# Altium PCB CSI2-ZCU106-EVK_Rev01.PcbDoc (part 4 of 4)
Units mm, origin at the board's own origin, x right, y up, seen from the top; angles counter-clockwise.
Board outline 75 x 69 mm, 4 copper layers (Layer1 Top, Layer2, Layer3, Layer4 Bottom), stack 1.59 mm thick; 252 components, 339 nets, 1136 pads, 406 vias.
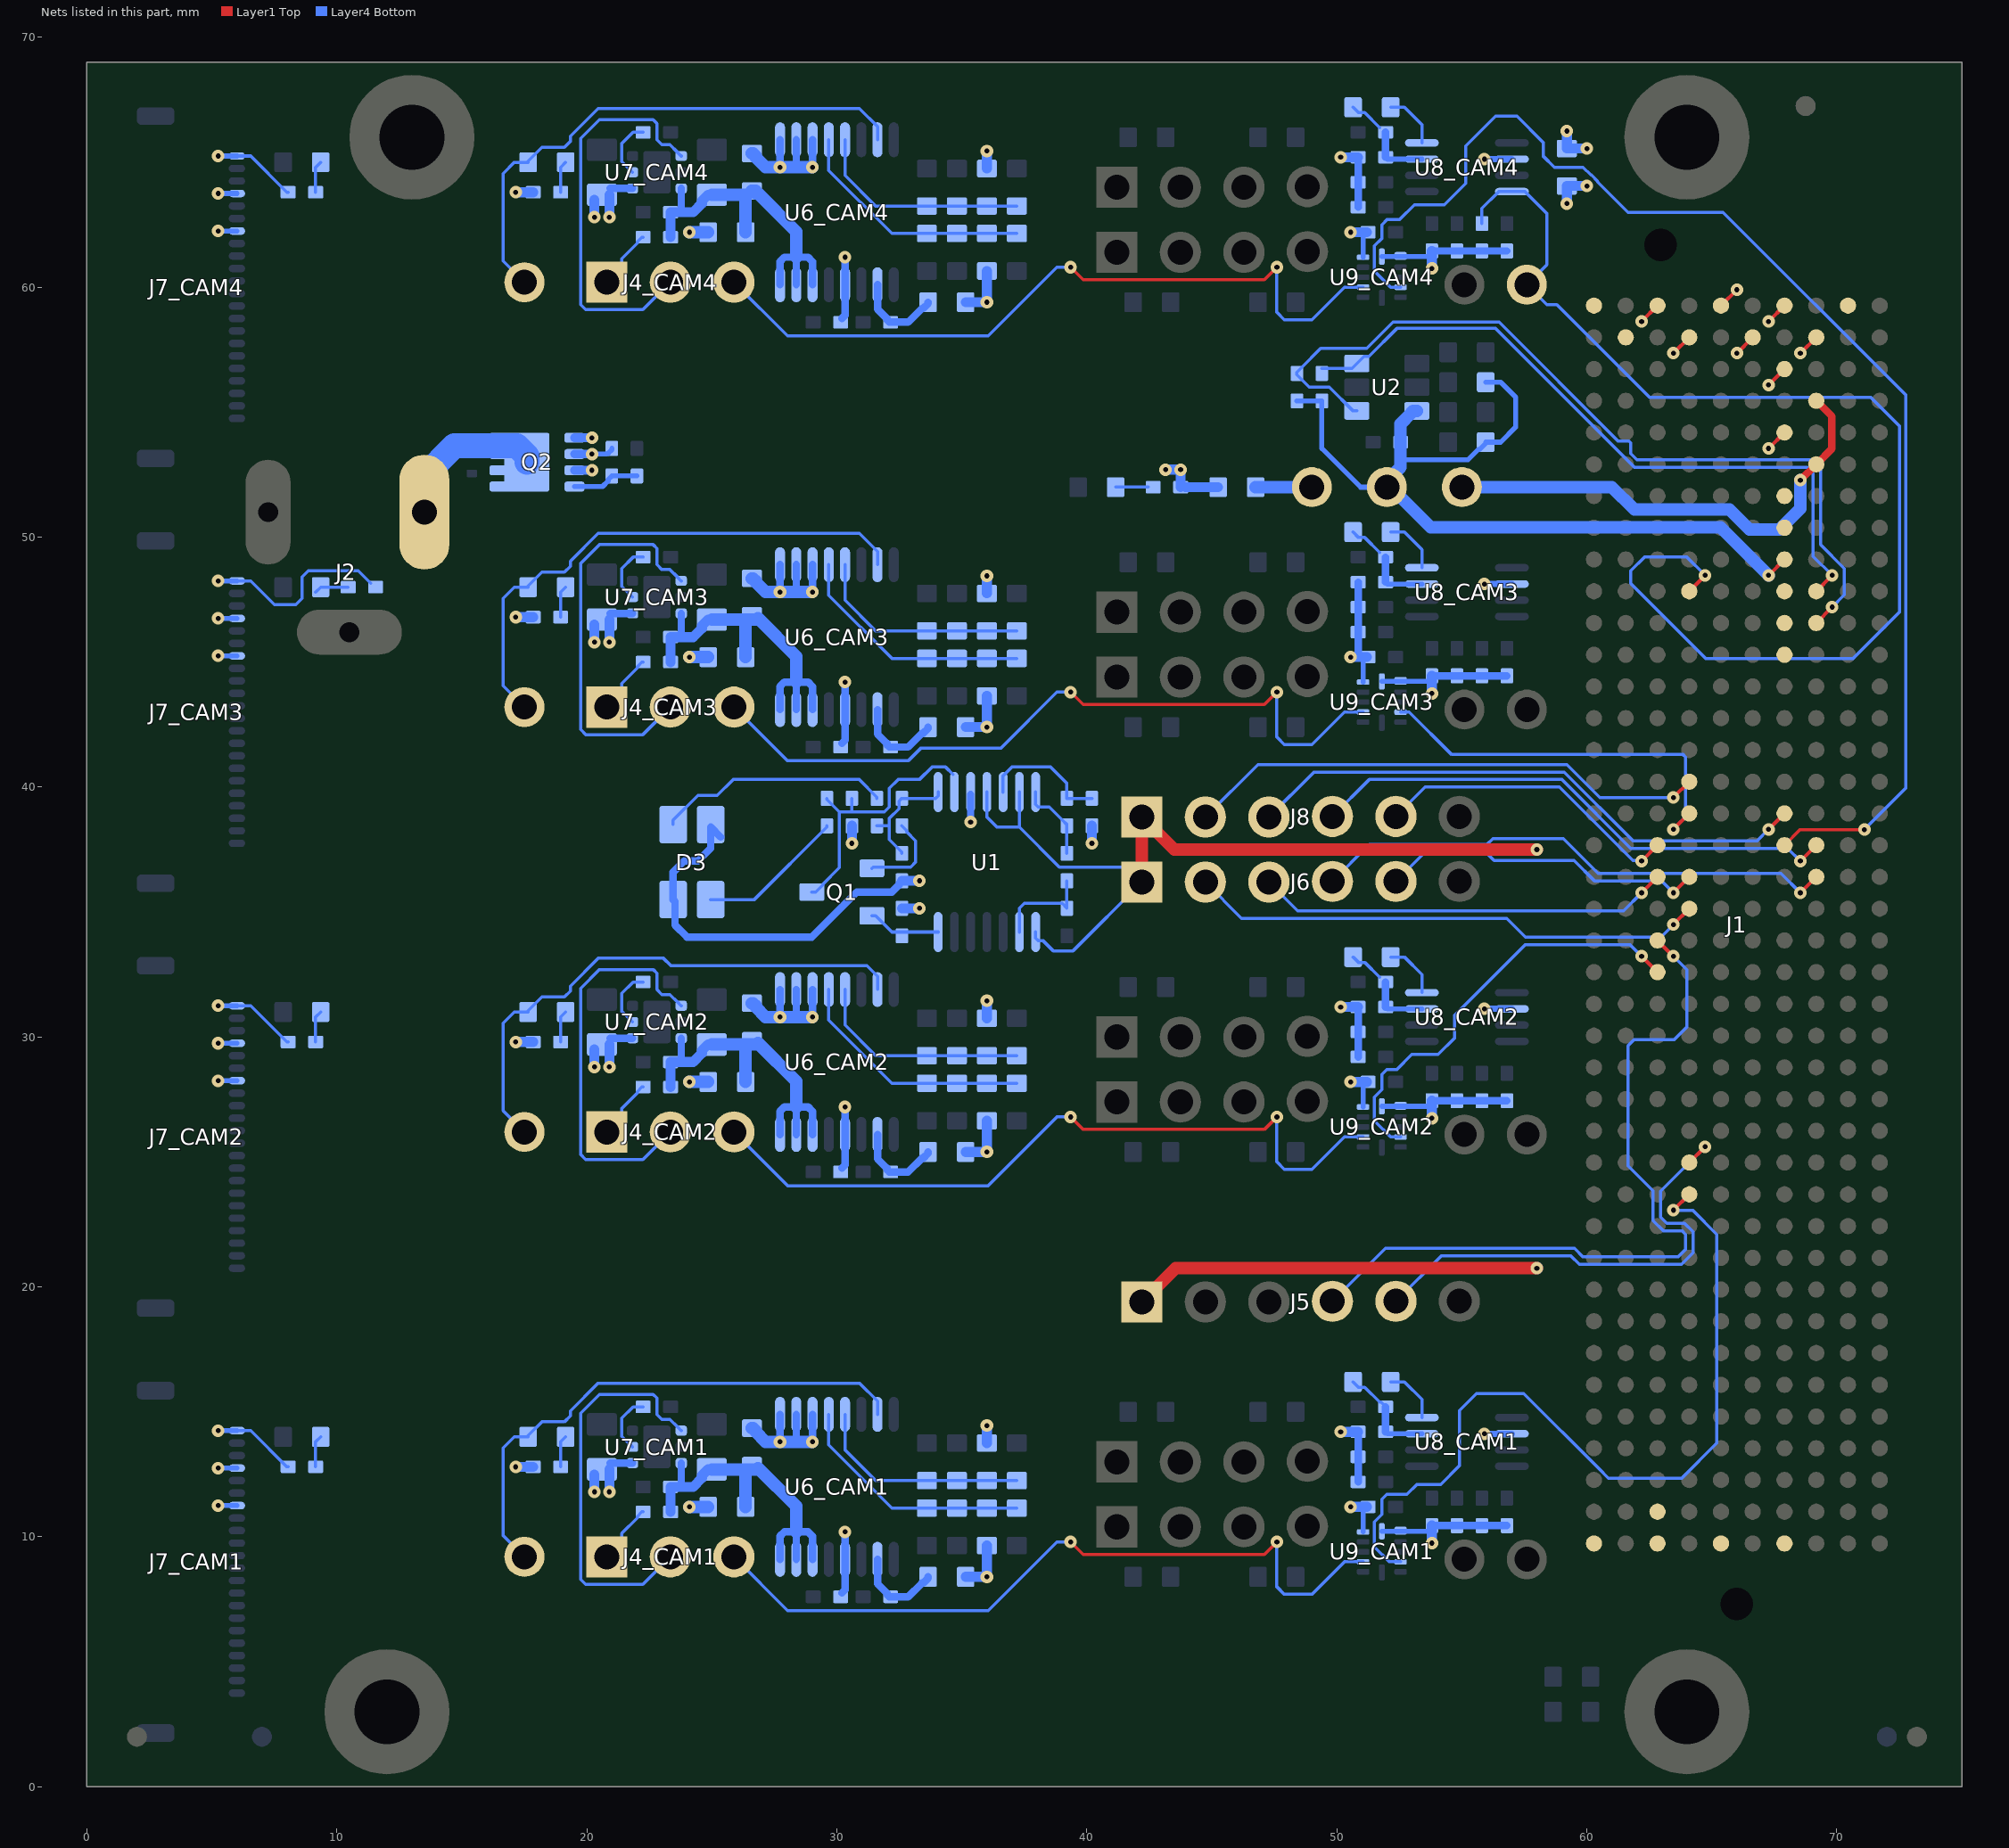
[diagram p6: the nets of this part, all layers, seen from the top]

## Via types
v1: diameter 0.5, hole 0.2, Layer1 Top to Layer4 Bottom, 406 vias

## Nets (pads, with @x,y where several pads share a name; then routed paths per layer and width w, separated by ;. In a path a pad name is that pad's centre, name@x,y a point inside that pad or via, vN(x,y) a via of type N, cw(c..) or ccw(c..) an arc to the next point about the centre after c; other vN are vias at no path point) (continued)
I2C_SDA_CAM4: J1.G31 R52_CAM4.2 TP5_CAM4.1 U8_CAM4.4 | length 49.4
  Layer1 Top w0.15: J1.G31@64.095,47.835 v1(64.73,48.47)
  Layer4 Bottom w0.125: R52_CAM4.2@55.8,62.55 55.8,63.15 56.475,63.825 U8_CAM4.4@57,63.825 57.525,63.825 58.4,62.95 58.4,60.9 TP5_CAM4.1@57.6,60.1 58.4,59.3 58.8,59.3 62.5,55.6 71.35,55.6 72.5,54.45 72.5,47 70.65,45.15 64.75,45.15 61.752,48.148 61.752,48.652 62.3,49.2 64,49.2 v1(64.73,48.47)
INA260-A0_CAM1: R34_CAM1.2 R36_CAM1.2 R39_CAM1.2 R41_CAM1.2 U6_CAM1.5 | length 8.8
  Layer4 Bottom w0.125: U6_CAM1.5@30.325,14.9 30.325,13.475 31.55,12.25 R41_CAM1.2@33.6,12.25 R39_CAM1.2@34.8,12.25 R34_CAM1.2@36,12.25 R36_CAM1.2@37.2,12.25
INA260-A0_CAM2: R34_CAM2.2 R36_CAM2.2 R39_CAM2.2 R41_CAM2.2 U6_CAM2.5 | length 8.8
  Layer4 Bottom w0.125: U6_CAM2.5@30.325,31.9 30.325,30.475 31.55,29.25 R41_CAM2.2@33.6,29.25 R39_CAM2.2@34.8,29.25 R34_CAM2.2@36,29.25 R36_CAM2.2@37.2,29.25
INA260-A0_CAM3: R34_CAM3.2 R36_CAM3.2 R39_CAM3.2 R41_CAM3.2 U6_CAM3.5 | length 8.8
  Layer4 Bottom w0.125: U6_CAM3.5@30.325,48.9 30.325,47.475 31.55,46.25 R41_CAM3.2@33.6,46.25 R39_CAM3.2@34.8,46.25 R34_CAM3.2@36,46.25 R36_CAM3.2@37.2,46.25
INA260-A0_CAM4: R34_CAM4.2 R36_CAM4.2 R39_CAM4.2 R41_CAM4.2 U6_CAM4.5 | length 8.8
  Layer4 Bottom w0.125: U6_CAM4.5@30.325,65.9 30.325,64.475 31.55,63.25 R41_CAM4.2@33.6,63.25 R39_CAM4.2@34.8,63.25 R34_CAM4.2@36,63.25 R36_CAM4.2@37.2,63.25
INA260-A1_CAM1: R35_CAM1.2 R37_CAM1.2 R40_CAM1.2 R42_CAM1.2 U6_CAM1.4 | length 9.8
  Layer4 Bottom w0.125: U6_CAM1.4@29.675,14.9 29.675,13.675 32.2,11.15 R42_CAM1.2@33.6,11.15 R40_CAM1.2@34.8,11.15 R35_CAM1.2@36,11.15 R37_CAM1.2@37.2,11.15
INA260-A1_CAM2: R35_CAM2.2 R37_CAM2.2 R40_CAM2.2 R42_CAM2.2 U6_CAM2.4 | length 9.8
  Layer4 Bottom w0.125: U6_CAM2.4@29.675,31.9 29.675,30.675 32.2,28.15 R42_CAM2.2@33.6,28.15 R40_CAM2.2@34.8,28.15 R35_CAM2.2@36,28.15 R37_CAM2.2@37.2,28.15
INA260-A1_CAM3: R35_CAM3.2 R37_CAM3.2 R40_CAM3.2 R42_CAM3.2 U6_CAM3.4 | length 9.8
  Layer4 Bottom w0.125: U6_CAM3.4@29.675,48.9 29.675,47.675 32.2,45.15 R42_CAM3.2@33.6,45.15 R40_CAM3.2@34.8,45.15 R35_CAM3.2@36,45.15 R37_CAM3.2@37.2,45.15
INA260-A1_CAM4: R35_CAM4.2 R37_CAM4.2 R40_CAM4.2 R42_CAM4.2 U6_CAM4.4 | length 9.8
  Layer4 Bottom w0.125: U6_CAM4.4@29.675,65.9 29.675,64.675 32.2,62.15 R42_CAM4.2@33.6,62.15 R40_CAM4.2@34.8,62.15 R35_CAM4.2@36,62.15 R37_CAM4.2@37.2,62.15
LA08_N: J1.G13 J5.5 | length 19.8
  Layer1 Top w0.15: J1.G13@64.095,24.975 v1(64.73,25.61)
  Layer4 Bottom w0.125: J5.5@52.36,19.425 54.185,21.25 59.35,21.25 59.7,20.9 63.784,20.9 64.25,21.366 64.25,22.2 63.9,22.55 63.2,22.55 62.95,22.8 62.95,23.83 v1(64.73,25.61)
LA08_P: J1.G12 U9_CAM1.4 | length 33.1
  Layer1 Top w0.15: v1(63.46,23.07) J1.G12@64.095,23.705
  Layer4 Bottom w0.125: U9_CAM1.4@52.55,9 52.1,9 51.5,9.6 51.5,10.55 51.502,10.552 51.502,10.595 51.8,10.893 51.8,11.5 52,11.7 52.8,11.7 53.2,12.1 54.15,12.1 54.9,12.85 54.9,15.05 55.588,15.738 57.474,15.738 60.482,12.729 60.861,12.35 63.796,12.35 65.2,13.754 65.2,22.1 64.23,23.07 v1(63.46,23.07)
LA15_N: J1.H20 J5.4 | length 31.4
  Layer1 Top w0.15: J1.H20@62.825,33.865 v1(63.46,33.23)
  Layer4 Bottom w0.125: J5.4@49.82,19.425 51.945,21.55 59.5,21.55 59.85,21.2 63.65,21.2 63.95,21.5 63.95,22.1 63.8,22.25 63.05,22.25 62.65,22.65 62.65,23.85 61.65,24.85 61.65,29.65 61.9,29.9 63.5,29.9 64,30.4 64,32.69 v1(63.46,33.23)
LA15_P: J1.H19 U9_CAM2.4 | length 17.5
  Layer1 Top w0.15: v1(62.19,33.23) J1.H19@62.825,32.595
  Layer4 Bottom w0.125: U9_CAM2.4@52.55,26 52.15,26 51.502,26.648 51.502,27.595 51.55,27.643 51.55,27.65 51.8,27.9 51.8,28.5 52,28.7 52.4,28.7 53,29.3 54.05,29.3 54.7,29.95 54.7,30.85 57.55,33.7 61.72,33.7 v1(62.19,33.23)
LA18_CC_N: J1.C23 J8.4 | length 21.6
  Layer1 Top w0.15: v1(68.54,37.04) J1.C23@69.175,37.675
  Layer4 Bottom w0.125: J8.4@49.82,38.825 51.295,40.3 59,40.3 61.75,37.55 68.03,37.55 v1(68.54,37.04)
LA18_CC_P: J1.C22 J6.4 | length 21.2
  Layer1 Top w0.15: v1(68.54,35.77) J1.C22@69.175,36.405
  Layer4 Bottom w0.125: J6.4@49.82,36.225 51.295,37.7 56,37.7 56.238,37.938 59.062,37.938 60.45,36.55 67.76,36.55 v1(68.54,35.77)
LA19_N: J1.H23 J8.5 | length 12.4
  Layer1 Top w0.15: v1(62.19,37.04) J1.H23@62.825,37.675
  Layer4 Bottom w0.125: J8.5@52.36,38.825 53.535,40 58.9,40 61.841,37.059 62.171,37.059 v1(62.19,37.04)
LA19_P: J1.H22 J6.3 | length 16.6
  Layer1 Top w0.15: v1(62.19,35.77) J1.H22@62.825,36.405
  Layer4 Bottom w0.125: J6.3@47.28,36.2 48.43,35.05 61.47,35.05 v1(62.19,35.77)
LA20_N: J1.G22 J6.5 | length 13.2
  Layer1 Top w0.15: v1(63.46,35.77) J1.G22@64.095,36.405
  Layer4 Bottom w0.125: J6.5@52.36,36.225 53.535,37.4 55.95,37.4 56.288,37.062 59.488,37.062 60.3,36.25 62.98,36.25 v1(63.46,35.77)
LA20_P: J1.G21 J6.2 | length 20.7
  Layer1 Top w0.15: v1(63.46,34.5) J1.G21@64.095,35.135
  Layer4 Bottom w0.125: J6.2@44.74,36.2 46.19,34.75 56.8,34.75 57.55,34 62.96,34 v1(63.46,34.5)
LA22_N: J1.G25 J8.2 | length 21
  Layer1 Top w0.15: v1(63.46,39.58) J1.G25@64.095,40.215
  Layer4 Bottom w0.125: J8.2@44.74,38.8 46.84,40.9 59.2,40.9 60.52,39.58 v1(63.46,39.58)
LA22_P: J1.G24 U9_CAM3.4 | length 16.1
  Layer1 Top w0.15: v1(63.46,38.31) J1.G24@64.095,38.945
  Layer4 Bottom w0.125: U9_CAM3.4@52.55,43 52.893,43 54.593,41.3 63.85,41.3 63.95,41.2 63.95,38.8 v1(63.46,38.31)
LA23_N: J1.D24 J8.3 | length 23
  Layer1 Top w0.15: v1(67.27,38.31) J1.D24@67.905,38.945
  Layer4 Bottom w0.125: J8.3@47.28,38.8 49.08,40.6 59.1,40.6 61.85,37.85 66.81,37.85 v1(67.27,38.31)
LA23_P: J1.D23 U9_CAM4.4 | length 53.4
  Layer1 Top w0.125: J1.D23@67.905,37.675 68.53,38.3 v1(71.1,38.3)
  Layer4 Bottom w0.125: U9_CAM4.4@52.55,60 52.15,60 51.5,60.65 51.5,61.65 51.8,61.95 51.8,62.5 52,62.7 52.5,62.7 53.1,63.3 54.3,63.3 55.15,64.15 55.15,65.65 56.35,66.85 57.2,66.85 58.25,65.8 58.25,65.25 58.7,64.8 59.85,64.8 60.163,64.488 60.181,64.488 60.438,64.231 60.438,64.212 61.65,63 65.45,63 72.75,55.7 72.75,39.95 v1(71.1,38.3)
NetC13_CAM1_1: C13_CAM1.1 R38_CAM1.2 U6_CAM1.10 | length 3.6
  Layer4 Bottom w0.3: U6_CAM1.10@31.625,9.1 31.625,8.125 32,7.75 32,7.7 32.1,7.6 C13_CAM1.1@32.15,7.6 32.85,7.6 33.4,8.15 33.45,8.15 33.65,8.35 R38_CAM1.2@33.65,8.4
NetC13_CAM2_1: C13_CAM2.1 R38_CAM2.2 U6_CAM2.10 | length 3.6
  Layer4 Bottom w0.3: U6_CAM2.10@31.625,26.1 31.625,25.125 32,24.75 32,24.7 32.1,24.6 C13_CAM2.1@32.15,24.6 32.85,24.6 33.4,25.15 33.45,25.15 33.65,25.35 R38_CAM2.2@33.65,25.4
NetC13_CAM3_1: C13_CAM3.1 R38_CAM3.2 U6_CAM3.10 | length 3.6
  Layer4 Bottom w0.3: U6_CAM3.10@31.625,43.1 31.625,42.125 32,41.75 32,41.7 32.1,41.6 C13_CAM3.1@32.15,41.6 32.85,41.6 33.4,42.15 33.45,42.15 33.65,42.35 R38_CAM3.2@33.65,42.4
NetC13_CAM4_1: C13_CAM4.1 R38_CAM4.2 U6_CAM4.10 | length 3.6
  Layer4 Bottom w0.3: U6_CAM4.10@31.625,60.1 31.625,59.125 32,58.75 32,58.7 32.1,58.6 C13_CAM4.1@32.15,58.6 32.85,58.6 33.4,59.15 33.45,59.15 33.65,59.35 R38_CAM4.2@33.65,59.4
NetC18_CAM1_1: C18_CAM1.1 R21_CAM1.1 R51_CAM1.1 U8_CAM1.7 | length 4.2
  Layer4 Bottom w0.125: R21_CAM1.1@50.65,16.2 50.864,15.986 51.114,15.986 51.713,15.387 51.763,15.387 C18_CAM1.1@51.95,15.2
  Layer4 Bottom w0.2: R51_CAM1.1@51.95,14.2 52.025,14.125 U8_CAM1.7@53.4,14.125
  Layer4 Bottom w0.3: R51_CAM1.1@51.95,14.2 C18_CAM1.1@51.95,15.2
NetC18_CAM2_1: C18_CAM2.1 R21_CAM2.1 R51_CAM2.1 U8_CAM2.7 | length 3.9
  Layer4 Bottom w0.125: R21_CAM2.1@50.65,33.2 50.864,32.986 51.114,32.986 C18_CAM2.1@51.713,32.387
  Layer4 Bottom w0.2: R51_CAM2.1@51.95,31.2 52.025,31.125 U8_CAM2.7@53.4,31.125
  Layer4 Bottom w0.3: R51_CAM2.1@51.95,31.2 C18_CAM2.1@51.95,32.2
NetC18_CAM3_1: C18_CAM3.1 R21_CAM3.1 R51_CAM3.1 U8_CAM3.7 | length 3.9
  Layer4 Bottom w0.125: R21_CAM3.1@50.65,50.2 50.864,49.986 51.114,49.986 C18_CAM3.1@51.713,49.387
  Layer4 Bottom w0.2: R51_CAM3.1@51.95,48.2 52.025,48.125 U8_CAM3.7@53.4,48.125
  Layer4 Bottom w0.3: R51_CAM3.1@51.95,48.2 C18_CAM3.1@51.95,49.2
NetC18_CAM4_1: C18_CAM4.1 R21_CAM4.1 R51_CAM4.1 U8_CAM4.7 | length 3.9
  Layer4 Bottom w0.125: R21_CAM4.1@50.65,67.2 50.864,66.986 51.114,66.986 C18_CAM4.1@51.713,66.387
  Layer4 Bottom w0.2: R51_CAM4.1@51.95,65.2 52.025,65.125 U8_CAM4.7@53.4,65.125
  Layer4 Bottom w0.3: R51_CAM4.1@51.95,65.2 C18_CAM4.1@51.95,66.2
NetD1_A: D1.A R2.2 | length 1.3
  Layer4 Bottom w0.125: D1.A@41.15,52 R2.2@42.45,52
NetD2_K: D2.K J2.1 Q2.D | length 6.5
  Layer4 Bottom w1: J2.1@13.5,51 13.5,52.45 14.7,53.65 17.2,53.65 17.6,53.25 Q2.D@17.6,53
NetD3_1: D3.1 R8.2 | length 9.3
  Layer4 Bottom w0.125: D3.1@23.45,38.5 23.45,38.674 24.438,39.663 25.213,39.663 25.85,40.3 30.9,40.3 31.6,39.6 R8.2@31.6,39.55
NetD3_3: D3.3 R10.2 | length 5.9
  Layer4 Bottom w0.125: D3.3@24.95,35.5 26.7,35.5 29.6,38.4 R10.2@29.6,38.45
NetD5_CAM1_A: D5_CAM1.A R43_CAM1.2 | length 1.3
  Layer4 Bottom w0.125: R43_CAM1.2@18.95,12.8 18.95,13.8 D5_CAM1.A@19.15,14
NetD5_CAM1_K: D5_CAM1.K TP4_CAM1.1 U6_CAM1.7 | length 21.7
  Layer4 Bottom w0.125: TP4_CAM1.1@17.5,9.2 16.65,10.05 16.65,13.55 17.1,14 D5_CAM1.K@17.65,14 17.65,14.05 18.2,14.6 19.1,14.6 19.337,14.837 19.337,15.037 20.45,16.15 30.9,16.15 31.625,15.425 U6_CAM1.7@31.625,14.9
NetD5_CAM2_A: D5_CAM2.A R43_CAM2.2 | length 1.3
  Layer4 Bottom w0.125: R43_CAM2.2@18.95,29.8 18.95,30.8 D5_CAM2.A@19.15,31
NetD5_CAM2_K: D5_CAM2.K TP4_CAM2.1 U6_CAM2.7 | length 21.7
  Layer4 Bottom w0.125: TP4_CAM2.1@17.5,26.2 16.65,27.05 16.65,30.55 17.1,31 D5_CAM2.K@17.65,31 17.65,31.05 18.2,31.6 19.1,31.6 19.337,31.837 19.337,32.037 20.45,33.15 23.062,33.15 23.362,32.85 31.2,32.85 31.625,32.425 U6_CAM2.7@31.625,31.9
NetD5_CAM3_A: D5_CAM3.A R43_CAM3.2 | length 1.3
  Layer4 Bottom w0.125: R43_CAM3.2@18.95,46.8 18.95,47.8 D5_CAM3.A@19.15,48
NetD5_CAM3_K: D5_CAM3.K TP4_CAM3.1 U6_CAM3.7 | length 21.7
  Layer4 Bottom w0.125: TP4_CAM3.1@17.5,43.2 16.65,44.05 16.65,47.55 17.1,48 D5_CAM3.K@17.65,48 17.65,48.05 18.2,48.6 19.1,48.6 19.337,48.837 19.337,49.037 20.45,50.15 30.9,50.15 31.625,49.425 U6_CAM3.7@31.625,48.9
NetD5_CAM4_A: D5_CAM4.A R43_CAM4.2 | length 1.3
  Layer4 Bottom w0.125: R43_CAM4.2@18.95,63.8 18.95,64.8 D5_CAM4.A@19.15,65
NetD5_CAM4_K: D5_CAM4.K TP4_CAM4.1 U6_CAM4.7 | length 21.7
  Layer4 Bottom w0.125: TP4_CAM4.1@17.5,60.2 16.65,61.05 16.65,64.55 17.1,65 D5_CAM4.K@17.65,65 17.65,65.05 18.2,65.6 19.1,65.6 19.337,65.837 19.337,66.037 20.45,67.15 30.9,67.15 31.625,66.425 U6_CAM4.7@31.625,65.9
NetD6_CAM1_A: D6_CAM1.A R45_CAM1.2 | length 1.3
  Layer4 Bottom w0.125: R45_CAM1.2@9.15,12.8 9.15,13.8 D6_CAM1.A@9.35,14
NetD6_CAM2_A: D6_CAM2.A R45_CAM2.2 | length 1.3
  Layer4 Bottom w0.125: R45_CAM2.2@9.15,29.8 9.15,30.8 D6_CAM2.A@9.35,31
NetD6_CAM3_A: D6_CAM3.A R45_CAM3.2 | length 1.4
  Layer4 Bottom w0.125: D6_CAM3.A@9.15,47.8 D6_CAM3.A@9.35,48 R45_CAM3.2@10.45,48
NetD6_CAM4_A: D6_CAM4.A R45_CAM4.2 | length 1.3
  Layer4 Bottom w0.125: R45_CAM4.2@9.15,63.8 9.15,64.8 D6_CAM4.A@9.35,65
NetJ4_CAM1_1: J4_CAM1.1 R44_CAM1.2 | length 2.4
  Layer4 Bottom w0.125: J4_CAM1.1@20.8,9.2 21.389,9.789 21.389,10.139 22.013,10.763 22.013,10.813 22.2,11 R44_CAM1.2@22.25,11
NetJ4_CAM1_2: J4_CAM1.2 U7_CAM1.4 | length 16.1
  Layer4 Bottom w0.125: J4_CAM1.2@23.34,9.2 22.24,8.1 19.95,8.1 19.75,8.3 19.75,14.95 20.5,15.7 22.65,15.7 22.8,15.55 22.8,14.9 23,14.7 23.325,14.7 23.613,14.413 23.613,14.408 23.77,14.25 U7_CAM1.4@23.775,14.25
NetJ4_CAM2_1: J4_CAM2.1 R44_CAM2.2 | length 2.4
  Layer4 Bottom w0.125: J4_CAM2.1@20.8,26.2 21.389,26.789 21.389,27.139 22.013,27.763 22.013,27.813 22.2,28 R44_CAM2.2@22.25,28
NetJ4_CAM2_2: J4_CAM2.2 U7_CAM2.4 | length 16.1
  Layer4 Bottom w0.125: J4_CAM2.2@23.34,26.2 22.24,25.1 19.95,25.1 19.75,25.3 19.75,31.95 20.5,32.7 22.65,32.7 22.8,32.55 22.8,31.9 23,31.7 23.325,31.7 23.613,31.413 23.613,31.408 23.77,31.25 U7_CAM2.4@23.775,31.25
NetJ4_CAM3_1: J4_CAM3.1 R44_CAM3.2 | length 2.4
  Layer4 Bottom w0.125: J4_CAM3.1@20.8,43.2 21.389,43.789 21.389,44.139 22.013,44.763 22.013,44.813 22.2,45 R44_CAM3.2@22.25,45
NetJ4_CAM3_2: J4_CAM3.2 U7_CAM3.4 | length 16.1
  Layer4 Bottom w0.125: J4_CAM3.2@23.34,43.2 22.24,42.1 19.95,42.1 19.75,42.3 19.75,48.95 20.5,49.7 22.65,49.7 22.8,49.55 22.8,48.9 23,48.7 23.325,48.7 23.613,48.413 23.613,48.408 23.77,48.25 U7_CAM3.4@23.775,48.25
NetJ4_CAM4_1: J4_CAM4.1 R44_CAM4.2 | length 2.4
  Layer4 Bottom w0.125: J4_CAM4.1@20.8,60.2 21.389,60.789 21.389,61.139 22.013,61.763 22.013,61.813 22.2,62 R44_CAM4.2@22.25,62
NetJ4_CAM4_2: J4_CAM4.2 U7_CAM4.4 | length 16.1
  Layer4 Bottom w0.125: J4_CAM4.2@23.34,60.2 22.24,59.1 19.95,59.1 19.75,59.3 19.75,65.95 20.5,66.7 22.65,66.7 22.8,66.55 22.8,65.9 23,65.7 23.325,65.7 23.613,65.413 23.613,65.408 23.77,65.25 U7_CAM4.4@23.775,65.25
NetQ1_1: Q1.1 R9.2 | length 3.5
  Layer4 Bottom w0.125: Q1.1@31.4,36.75 31.45,36.8 32.95,36.8 33.15,37 33.15,37.85 32.788,38.212 32.788,38.263 R9.2@32.6,38.45
NetQ1_2: Q1.2 R3.2 U1.14 | length 2.9
  Layer4 Bottom w0.125: Q1.2@31.4,34.85 31.55,34.85 32.2,34.2 U1.14@34.05,34.2
NetQ1_3: Q1.3 R5.2 R10.1 U1.2 | length 10.9
  Layer4 Bottom w0.125: Q1.3@29,35.8 29.146,35.8 29.433,36.087 29.433,36.108 30.1,36.775 30.1,39 ; R10.1@29.6,39.55 29.6,39.5 29.787,39.313 30.1,39 ; R5.2@30.6,39.55 30.6,39 ; U1.2@34.65,40.5 34.35,40.8 33.8,40.8 33.3,40.3 32.45,40.3 32.1,39.95 32.1,39.2 31.9,39 30.6,39 ; 30.1,39 30.6,39
NetQ2_G: Q2.G R31.2 R32.2 | length 2.7
  Layer4 Bottom w0.2: Q2.G@19.5,52.025 20.625,52.025 20.85,52.25 20.85,52.3 R31.2@21,52.45 R32.2@22,52.45
NetR1_2: R1.2 R7.1 U1.5 | length 5.2
  Layer4 Bottom w0.125: U1.5@36.65,39.8 36.65,40.45 37,40.8 38.55,40.8 39.2,40.15 R7.1@39.2,39.55 R1.2@40.2,39.55
NetR4_2: R4.2 R8.1 R9.1 U1.1 | length 4.8
  Layer4 Bottom w0.125: R8.1@31.6,38.45 32.1,38.45 ; R4.2@32.6,37.35 32.6,37.4 32.1,37.9 32.1,38.45 ; U1.1@34.05,39.8 34.05,39.654 33.946,39.55 R9.1@32.6,39.55 32.486,39.436 32.486,39.136 32.1,38.75 32.1,38.45
NetR7_2: R7.2 R11.1 U1.7 | length 3.2
  Layer4 Bottom w0.125: U1.7@37.95,39.8 37.95,39.304 38.054,39.2 38.5,39.2 39.013,38.687 39.2,38.5 R11.1@39.2,37.35
NetR11_2: R11.2 R12.1 U1.9 | length 4.1
  Layer4 Bottom w0.125: U1.9@37.3,34.2 37.3,35.15 37.5,35.35 39.013,35.35 39.2,35.163 R11.2@39.2,36.25
NetR21_CAM1_2: R21_CAM1.2 U8_CAM1.8 | length 2.3
  Layer4 Bottom w0.125: R21_CAM1.2@52.15,16.2 52.7,16.2 53.4,15.5 U8_CAM1.8@53.4,14.775
NetR21_CAM2_2: R21_CAM2.2 U8_CAM2.8 | length 2.3
  Layer4 Bottom w0.125: R21_CAM2.2@52.15,33.2 52.7,33.2 53.4,32.5 U8_CAM2.8@53.4,31.775
NetR21_CAM3_2: R21_CAM3.2 U8_CAM3.8 | length 2.3
  Layer4 Bottom w0.125: R21_CAM3.2@52.15,50.2 52.7,50.2 53.4,49.5 U8_CAM3.8@53.4,48.775
NetR21_CAM4_2: R21_CAM4.2 U8_CAM4.8 | length 2.3
  Layer4 Bottom w0.125: R21_CAM4.2@52.15,67.2 52.7,67.2 53.4,66.5 U8_CAM4.8@53.4,65.775
NetR46_CAM1_2: R46_CAM1.2 U7_CAM1.2 | length 2.4
  Layer4 Bottom w0.125: U7_CAM1.2@21.825,13.6 21.82,13.6 21.663,13.758 21.663,13.763 21.4,14.025 21.4,14.75 21.85,15.2 R46_CAM1.2@22.25,15.2
NetR46_CAM2_2: R46_CAM2.2 U7_CAM2.2 | length 2.4
  Layer4 Bottom w0.125: U7_CAM2.2@21.825,30.6 21.82,30.6 21.663,30.758 21.663,30.763 21.4,31.025 21.4,31.75 21.85,32.2 R46_CAM2.2@22.25,32.2
NetR46_CAM3_2: R46_CAM3.2 U7_CAM3.2 | length 2.4
  Layer4 Bottom w0.125: U7_CAM3.2@21.825,47.6 21.82,47.6 21.663,47.758 21.663,47.763 21.4,48.025 21.4,48.75 21.85,49.2 R46_CAM3.2@22.25,49.2
NetR46_CAM4_2: R46_CAM4.2 U7_CAM4.2 | length 2.4
  Layer4 Bottom w0.125: U7_CAM4.2@21.825,64.6 21.82,64.6 21.663,64.758 21.663,64.763 21.4,65.025 21.4,65.75 21.85,66.2 R46_CAM4.2@22.25,66.2
PG_C2M: J1.D1
PG_M2C: J1.F1
PRSNT_M2C_L: J1.H2
PWDN_3V3_CAM1: J4_CAM1.3 U9_CAM1.8 | length 30.1
  Layer1 Top w0.125: v1(39.35,9.8) 39.85,9.3 47.1,9.3 v1(47.6,9.8)
  Layer4 Bottom w0.125: J4_CAM1.3@25.88,9.2 28.03,7.05 36.05,7.05 38.8,9.8 v1(39.35,9.8) ; v1(47.6,9.8) 47.6,8 47.9,7.7 49,7.7 50.3,9 U9_CAM1.8@51.05,9
PWDN_3V3_CAM2: J4_CAM2.3 U9_CAM2.8 | length 30.1
  Layer1 Top w0.125: v1(39.35,26.8) 39.85,26.3 47.1,26.3 v1(47.6,26.8)
  Layer4 Bottom w0.125: J4_CAM2.3@25.88,26.2 28.03,24.05 36.05,24.05 38.8,26.8 v1(39.35,26.8) ; v1(47.6,26.8) 47.6,25 47.9,24.7 49,24.7 50.3,26 U9_CAM2.8@51.05,26
PWDN_3V3_CAM3: J4_CAM3.3 U9_CAM3.8 | length 30.1
  Layer1 Top w0.125: v1(39.35,43.8) 39.85,43.3 47.1,43.3 v1(47.6,43.8)
  Layer4 Bottom w0.125: J4_CAM3.3@25.88,43.2 28.03,41.05 32.85,41.05 33.35,41.55 36.55,41.55 38.8,43.8 v1(39.35,43.8) ; v1(47.6,43.8) 47.6,42 47.9,41.7 49,41.7 50.3,43 U9_CAM3.8@51.05,43
PWDN_3V3_CAM4: J4_CAM4.3 U9_CAM4.8 | length 30.1
  Layer1 Top w0.125: v1(39.35,60.8) 39.85,60.3 47.1,60.3 v1(47.6,60.8)
  Layer4 Bottom w0.125: J4_CAM4.3@25.88,60.2 28.03,58.05 36.05,58.05 38.8,60.8 v1(39.35,60.8) ; v1(47.6,60.8) 47.6,59 47.9,58.7 49,58.7 50.3,60 U9_CAM4.8@51.05,60
RES0: J1.B40
SCL: J1.C30 R13.1 U2.1 | length 34.6
  Layer1 Top w0.15: J1.C30@69.175,46.565 v1(69.81,47.2)
  Layer4 Bottom w0.125: U2.1@50.8,55.05 50.65,55.05 49.7,56 48.9,56 48.397,56.503 48.397,56.597 48.587,56.787 49.35,57.55 51.2,57.55 52.25,58.6 54.343,58.6 56.493,58.6 61.243,53.85 61.679,53.85 61.752,53.777 61.752,53.348 62,53.1 68.95,53.1 69.35,52.7 69.35,49.7 70.3,48.75 70.3,47.69 v1(69.81,47.2)